# Allegro board pc065c_fibv2_toplevel_13_fix.brd (continued)
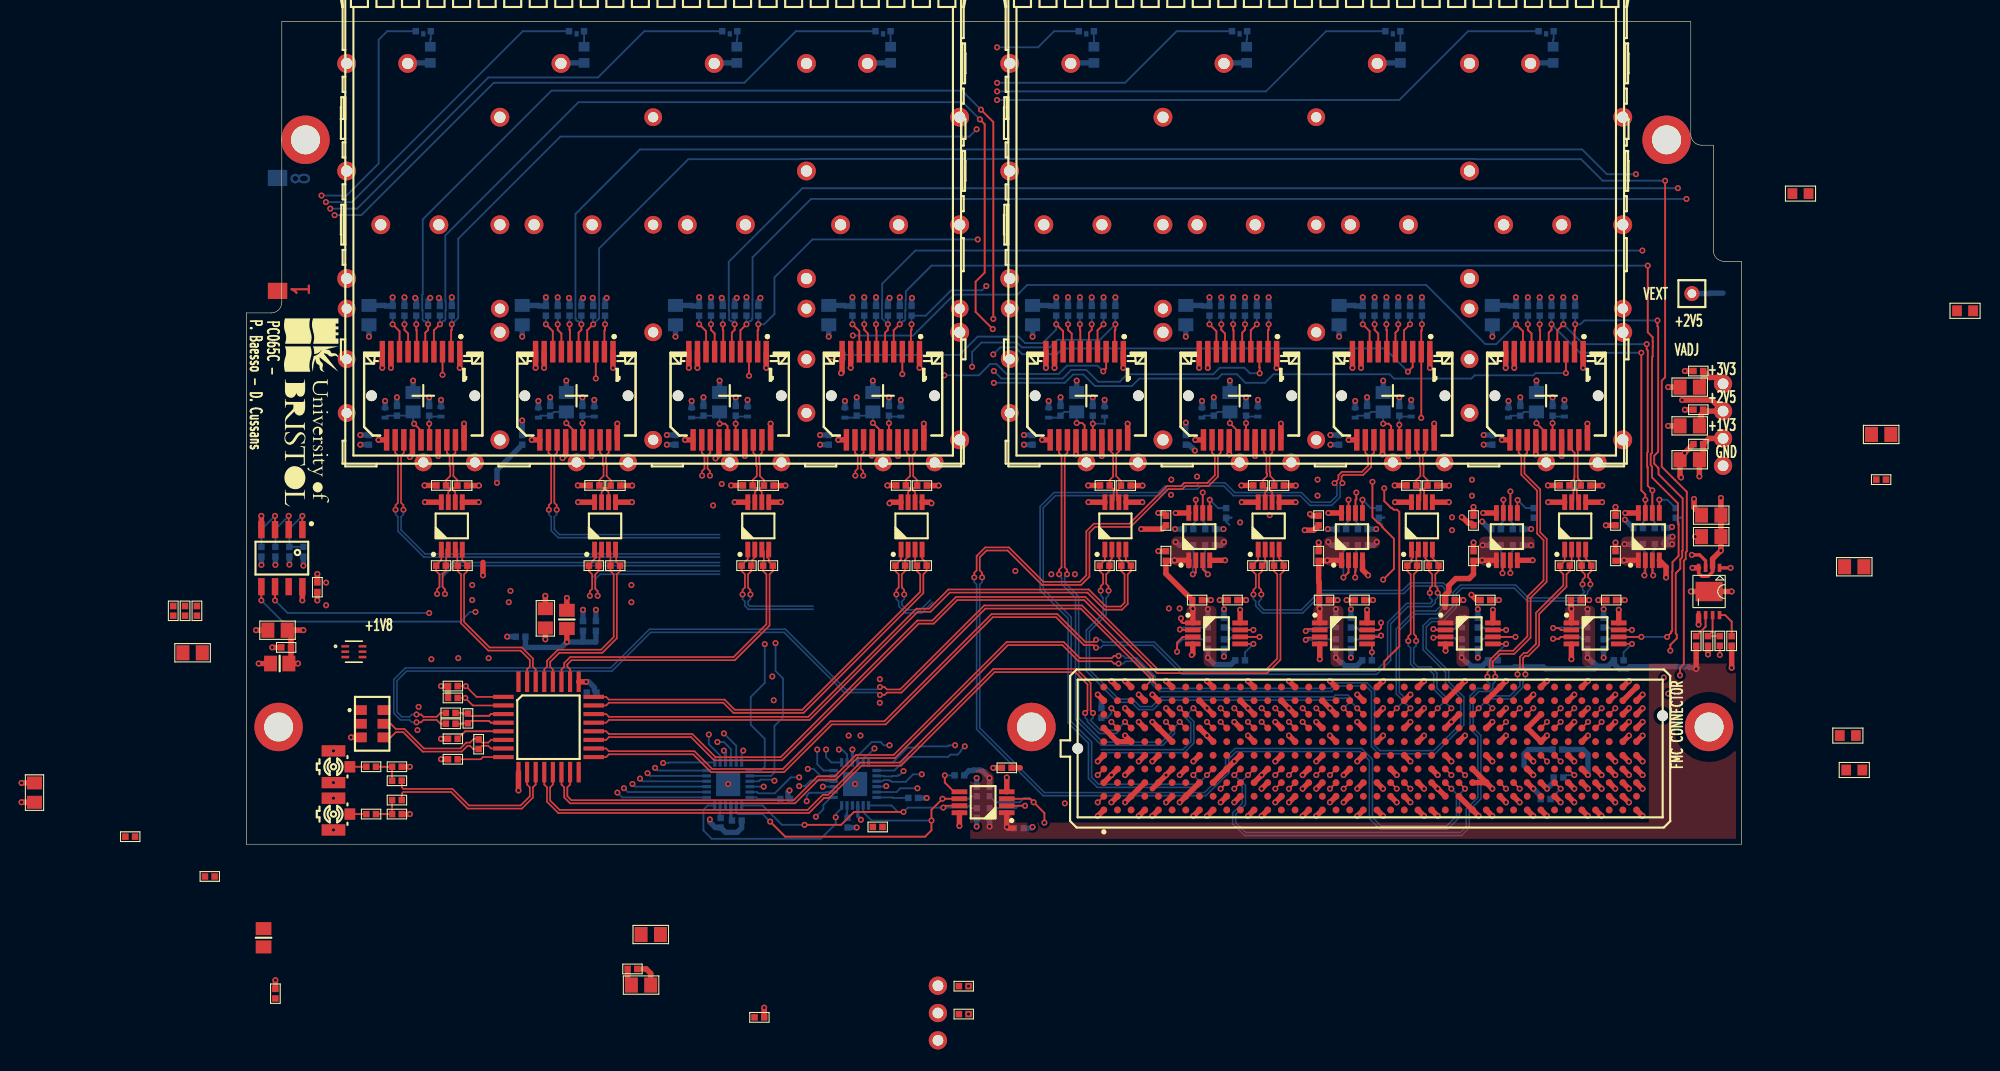
[diagram p0: board, top side]
## Routing (per net, layer and track width the routed paths; a pad name or vN(x,y) marks a point on that pad's centre or on a via; arc(x,y) is an arc through that point) (continued)
RD_FPGA_P<7>: length 70.9
  TOP w0.15: J24.13 119.09,36.4 118.83,36.14 118.83,34.47 120.3,33 120.3,29 120.9,28.4 120.9,24.4 119.4,22.9 119.4,19.2 117.9,17.7 116.6,17.7 115.9,17 115.9,16.22 116.12,16 v1(116.12,15.57) ; J2.D11 v1(91.86,6.43)
  BOTTOM w0.15: v1(116.12,15.57) 116.12,15.13 115.9,14.91 115.9,14.52 115.58,14.2 114.6,14.2 114.07,13.67 114.07,10.83 114.79,10.11 114.79,4.23 113.7,3.14 113.7,1.5 113,0.8 92.8,0.8 91.7,1.9 91.7,2.9 92.6,3.8 92.6,5.35 92.35,5.61 92.35,5.94 v1(91.86,6.43)
RST_I2C_B: length 18.3
  BOTTOM w0.17: IC23.24 42.9,3.6 42.5,3.2 42.5,1.27 43.27,0.5 53.4,0.5 54.8,1.9 v1(54.8,2.5) 54.8,2.8 55.35,3.35 IC10.24
SFP_FAULT<0>: length 132
  TOP w0.17: J7.2 19.04,47.77 19.1,47.83 v1(19.1,48.34)
  L3_SIG w0.17: v1(59.8,9.2) 59.8,20.2 68.2,28.6 68.2,34 67.66,34.54 67.66,38.44 65.85,40.25 65.85,44.25 64.8,45.3 64.8,54.49 67.44,57.14 67.44,58.06 67,58.51 67,64.78 67.9,65.68 v1(67.9,66.48)
  BOTTOM w0.17: R24.2 v1(19.1,48.34) 19.7,48.95 19.7,56.3 29.2,65.8 67.22,65.8 v1(67.9,66.48) ; v1(59.8,9.2) 59.26,9.2 58.96,9.5 58.14,9.5 56.85,8.21 IC10.10
SFP_FAULT<1>: length 76.3
  TOP w0.17: v1(33.35,48.34) 33.35,47.83 33.29,47.77 J12.2
  L3_SIG w0.17: v1(33.35,48.34) 33.35,41.59 33.53,41.41 33.53,4.57 34.2,3.9 51.26,3.9 51.88,4.53 53.24,4.53 53.52,4.8 54.3,4.8 v1(58.4,8.9)
  BOTTOM w0.17: R36.2 v1(33.35,48.34) ; IC10.11 57.35,8 57.6,8.24 57.74,8.24 v1(58.4,8.9)
SFP_FAULT<2>: length 86.4
  TOP w0.17: J16.2 47.54,47.77 47.6,47.83 v1(47.6,48.34)
  L3_SIG w0.17: v1(65.9,9.2) 66.64,9.94 66.64,25.44 68.83,27.63 68.83,28.3 68.86,28.33 68.86,34.54 68.43,34.97 68.43,43.42 68.42,43.43 68.42,49.12 68.4,49.14 68.4,50.2 68.1,50.5 68.1,55.64 68,55.74 v1(68,56.23)
  BOTTOM w0.17: R44.2 v1(47.6,48.34) 48.15,48.34 49.1,49.3 49.1,52.7 52.63,56.23 v1(68,56.23) ; IC10.12 60.1,7.6 61.48,8.97 62.19,8.97 62.32,9.1 65.26,9.1 65.36,9.2 v1(65.9,9.2)
SFP_FAULT<3>: length 65.1
  TOP w0.17: v1(61.85,48.34) 61.85,47.83 61.79,47.77 J20.2
  L3_SIG w0.17: v1(68.8,51.9) 68.8,35.3 69.2,34.9 69.2,27.4 67.16,25.35 67.16,22.34 67.7,21.8 67.7,10 v1(66.8,9.1)
  BOTTOM w0.17: v1(61.85,48.34) R52.2 63.17,49.15 65.52,51.5 68.4,51.5 v1(68.8,51.9) ; v1(66.8,9.1) 66.42,8.72 66.42,8.62 66.13,8.33 65.46,8.33 65.26,8.12 61.52,8.12 60.25,6.85 IC10.13
SFP_FAULT<4>: length 63.4
  TOP w0.17: J36.2 80.74,47.77 80.8,47.83 v1(80.8,48.34)
  L3_SIG w0.17: v1(61.1,6.8) 61.1,8.5 61.5,8.9 61.5,21 68.5,28 68.5,28.43 68.53,28.46 68.53,34.37 68.1,34.8 68.1,43.29 67.48,43.91 v1(67.48,44.4)
  BOTTOM w0.17: v1(67.48,44.4) 67.48,45.78 68.35,46.65 71.65,46.65 72.1,46.2 74.7,46.2 75.4,46.9 79.36,46.9 v1(80.8,48.34) R125.2 ; IC10.14 59.27,6.35 59.32,6.3 60.03,6.3 60.08,6.35 60.55,6.35 60.62,6.42 60.72,6.42 v1(61.1,6.8)
SFP_FAULT<5>: length 49.1
  TOP w0.17: v1(105.8,33.1) 105.8,31.9 106.42,31.27 106.51,31.27 106.69,31.1 107,31.1 107.2,30.9 107.2,18.4 105.8,17 105.8,16.3 ; v1(95.05,48.34) 95.05,47.83 94.99,47.77 J32.2
  L3_SIG w0.17: v1(95.05,48.34) 95.05,47.81 98.7,44.16 98.7,38.34 98.41,38.04 98.41,36.99 98.87,36.53 100.57,36.53 101.07,36.03 102.54,36.03 103.53,35.04 103.53,33.57 104.1,33 105.21,33 105.31,33.1 v1(105.8,33.1)
  BOTTOM w0.17: IC10.15 59.14,5.85 59.26,5.97 59.74,5.97 59.81,5.9 59.92,5.9 60.02,5.8 61.3,5.8 62,6.5 v1(62.8,6.5) ; R117.2 v1(95.05,48.34)
SFP_FAULT<6>: length 80.6
  TOP w0.17: v1(109.3,48.34) 109.3,47.83 109.24,47.77 J28.2 v1(109.24,39.64)
  L6_SIG w0.17: v1(109.24,39.64) 109.24,39.04 107.4,37.2 104.2,37.2 102.5,35.5 99.5,35.5 97.9,33.9 95.1,33.9 93.9,32.7 91.4,32.7 88.8,30.1 85.7,30.1 82.8,27.2 72.3,27.2 68.1,23 68.1,15.7 61.4,9 60.4,9 59.5,8.1 v1(59.5,5.4)
  BOTTOM w0.17: R109.2 v1(109.3,48.34) ; v1(59.5,5.4) 59.45,5.35 IC10.16
SFP_FAULT<7>: length 47.7
  TOP w0.17: J24.2 123.49,47.77 123.55,47.83 v1(123.55,48.34) ; v1(131.2,48.7) 131.2,48.16 131.27,48.09 131.27,36.49 130.9,36.12 130.9,35.38 131.27,35.01 131.27,34.96 131.3,34.93 131.3,34.4 133.54,32.16 133.54,27.32 133.5,27.27 133.5,26.67 133.32,26.49 133.32,25.62 132.9,25.2 132.9,19.59 133,19.49 133,19.14 132.4,18.54 v1(132.4,18)
  BOTTOM w0.17: IC10.17 60.45,4.85 60.8,5.2 v1(62.4,5.2) ; R101.2 v1(123.55,48.34) 124.04,48.34 124.4,48.7 127.49,48.7 127.51,48.72 128.44,48.72 128.46,48.7 v1(131.2,48.7)
SFP_I2C_SCL<0>: length 144.8
  TOP w0.17: v1(69.45,48.85) 69.45,67.15 v1(68.3,68.3) ; J7.5 16.64,47.57 16.9,47.83 v1(16.9,48.34) ; IC12.7 v1(93.63,19.93)
  L3_SIG w0.17: v1(69.45,48.85) 69.94,48.85 70.39,48.4 73.9,48.4 76.4,45.9 84.7,45.9 87.5,43.1 89.8,43.1 94.9,38 94.9,33.9 95.72,33.08 95.72,28.42 95.6,28.3 95.6,21.1 94.42,19.93 v1(93.63,19.93)
  BOTTOM w0.17: R140.1 91.41,20.15 91.64,19.93 v1(93.63,19.93) ; v1(68.3,68.3) 66.53,70.07 28.37,70.07 16.4,58.1 16.4,51.13 16.35,51.08 16.35,50.63 16.36,50.62 16.36,49.65 16.39,49.62 16.39,48.76 16.51,48.64 16.61,48.64 v1(16.9,48.34) R27.1
SFP_I2C_SCL<1>: length 203.9
  TOP w0.17: J12.5 30.89,47.57 31.15,47.83 v1(31.15,48.34) ; v1(105.5,20.6) 105.5,20.11 105.32,19.93 IC14.7
  L3_SIG w0.17: v1(129.2,62.3) 129.8,62.3 131,61.1 131,53.94 131.03,53.92 131.03,53.48 131,53.46 131,51.8 130.5,51.3 130.5,48.1 131.2,47.4 131.2,33.3 132,32.5 132,30.57 131.47,30.04 131.47,29.47 131.3,29.3 131.3,25.31 131.4,25.21 131.4,24.3 131.28,24.18 131.28,17.22 131.8,16.69 v1(131.8,15.5)
  L6_SIG w0.17: v1(131.8,15.5) 129.8,15.5 128.2,17.1 128.2,17.6 126.3,19.5 124.7,19.5 122.8,21.4 120.4,21.4 119.7,20.7 119.7,19.3 118.4,18 116.2,18 113.7,20.5 111.5,20.5 110.4,21.6 108.7,21.6 107.7,20.6 v1(105.5,20.6)
  BOTTOM w0.17: R145.1 103.21,20.15 103.44,19.93 105.33,19.93 105.5,20.1 v1(105.5,20.6) ; R39.1 v1(31.15,48.34) 30.86,48.64 30.76,48.64 30.64,48.76 30.64,48.86 30.6,48.9 30.6,58.6 36.6,64.6 124.2,64.6 126.5,62.3 v1(129.2,62.3)
SFP_I2C_SCL<2>: length 155.9
  TOP w0.17: IC15.7 v1(117.13,19.93) ; J16.5 45.14,47.57 45.4,47.83 v1(45.4,48.34)
  L6_SIG w0.17: v1(133.1,61) 133.1,54.2 132.05,53.15 132.05,45.75 129.8,43.5 129.8,34.4 128.8,33.4 128.8,26.1 127.9,25.2 121.63,25.2 117.13,20.7 v1(117.13,19.93)
  BOTTOM w0.17: v1(133.1,61) 51.7,61 44.85,54.15 44.85,50.63 44.85,50.62 44.85,49.65 44.89,49.62 44.89,48.76 45.01,48.64 45.11,48.64 v1(45.4,48.34) R47.1 ; R150.1 115.01,20.15 115.24,19.93 v1(117.13,19.93)
SFP_I2C_SCL<3>: length 119.3
  TOP w0.17: J20.5 59.39,47.57 59.65,47.83 v1(59.65,48.34) ; IC16.7 v1(128.83,19.93)
  L3_SIG w0.17: v1(128.83,19.93) 129.4,20.5 129.4,41.8 129.1,42.1 129.1,54.5 v1(129.8,55.2)
  BOTTOM w0.17: v1(128.83,19.93) 126.94,19.93 126.71,20.15 R155.1 ; v1(129.8,55.2) 62.2,55.2 59.12,52.12 59.12,50.62 59.1,50.6 59.1,48.9 v1(59.65,48.34) R55.1
SFP_I2C_SCL<4>: length 28.1
  TOP w0.17: J36.5 78.34,47.57 78.6,47.83 v1(78.6,48.34) ; 88.28,30.8 v1(88.28,32.03)
  L6_SIG w0.17: v1(78.6,48.34) 80.5,46.45 80.5,41.8 82.47,39.84 82.47,39.39 82.51,39.34 82.51,38.87 82.47,38.82 82.47,38.04 86.03,34.47 86.43,34.47 88.28,32.63 v1(88.28,32.03)
  BOTTOM w0.17: R128.1 v1(78.6,48.34) ; R160.1 88.05,29.81 88.28,30.04 v1(88.28,32.03)
SFP_I2C_SCL<5>: length 30.6
  TOP w0.17: IC18.7 v1(102.47,32.03) ; J32.5 92.59,47.57 92.85,47.83 v1(92.85,48.34)
  L3_SIG w0.17: v1(102.47,32.03) 102.13,31.68 98.81,31.68 97.67,32.83 97.36,32.83 97.05,33.13 97.05,33.15 95.43,34.77 95.43,41.07 92.85,43.65 v1(92.85,48.34)
  BOTTOM w0.17: R120.1 v1(92.85,48.34) ; v1(102.47,32.03) 102.47,30.04 102.25,29.81 R165.1
SFP_I2C_SCL<6>: length 27.9
  TOP w0.17: v1(107.1,48.34) 107.1,47.83 106.84,47.57 J28.5 ; IC19.7 v1(116.88,32.03)
  L3_SIG w0.17: v1(107.1,48.34) 108.7,46.74 108.7,44.6 109,44.3 109,41.53 116.88,33.66 v1(116.88,32.03)
  BOTTOM w0.17: R112.1 v1(107.1,48.34) ; v1(116.88,32.03) 116.88,30.04 116.65,29.81 R170.1
SFP_I2C_SCL<7>: length 30.7
  TOP w0.17: J24.5 121.09,47.57 121.35,47.83 v1(121.35,48.34) ; v1(129.7,45.7) 129.7,32.9 130.07,32.52 v1(130.07,32.03) 130.07,30.8
  BOTTOM w0.17: v1(130.07,32.03) 130.07,30.14 129.85,29.91 R175.1 ; v1(129.7,45.7) 124,45.7 v1(121.35,48.34) R104.1
SFP_I2C_SCL_CVCC<0>: length 24.3
  TOP w0.17: 92.42,5.72 v1(91.86,5.16) ; v1(86.8,19.97) 86.84,19.93 IC12.2
  L6_SIG w0.17: v1(86.8,19.97) 90.53,19.97 92.5,18 92.5,5.8 v1(91.86,5.16)
  BOTTOM w0.17: R137.1 87.15,20.15 86.97,19.97 v1(86.8,19.97)
SFP_I2C_SCL_CVCC<1>: length 14.2
  TOP w0.17: v1(98.5,19.82) 98.52,19.82 98.7,20 99.72,20 IC14.2 ; 98.78,10.8 v1(98.21,11.37)
  L6_SIG w0.17: v1(98.5,19.82) 97.6,18.92 97.6,11.98 v1(98.21,11.37)
  BOTTOM w0.17: v1(98.5,19.82) 99.04,19.82 99.37,20.15 R142.1
SFP_I2C_SCL_CVCC<2>: length 28.3
  TOP w0.17: v1(110.37,20) 110.4,20 110.47,19.93 IC15.2 ; 97.5,5.72 v1(96.94,5.16)
  L6_SIG w0.17: v1(96.94,5.16) 97.43,5.16 98.07,5.8 100.9,5.8 101.3,6.2 101.3,7.3 104.8,10.8 104.8,12.7 107.2,15.1 108.6,15.1 110.7,17.2 110.7,17.63 110.73,17.66 110.73,18.79 110.92,18.98 110.92,19.42 110.72,19.63 110.72,19.65 v1(110.37,20)
  BOTTOM w0.17: R147.1 112.48,20.15 112.33,20 v1(110.37,20)
SFP_I2C_SCL_CVCC<3>: length 15.5
  TOP w0.17: IC16.2 122.21,19.93 122.04,20.1 v1(121.5,20.1) ; 121.64,10.8 v1(122.2,11.37)
  L6_SIG w0.17: v1(122.2,11.37) 121.6,11.97 121.6,14 122.4,14.8 122.4,19.2 v1(121.5,20.1)
  BOTTOM w0.17: R152.1 122.25,20.15 122.2,20.1 v1(121.5,20.1)
SFP_I2C_SCL_CVCC<4>: length 48.5
  TOP w0.17: 88.28,25.27 88.28,25.23 ; 88.28,25.27 88.28,26.4 ; 88.28,25.27 88.2,25.2 88.1,25.2 v1(88,25.1) ; 102.58,5.72 v1(102.02,5.16)
  L6_SIG w0.17: v1(102.02,5.16) 102.02,4.63 101.49,4.11 101.49,3.47 101.32,3.3 85.3,3.3 84.9,3.7 84.9,14.6 84.1,15.4 84.1,23.5 85.7,25.1 v1(88,25.1)
  BOTTOM w0.17: R157.1 88.05,25.91 88,25.86 v1(88,25.1)
SFP_I2C_SCL_CVCC<5>: length 31
  TOP w0.17: J2.D15 v1(96.94,6.43) ; v1(102,24.8) 102.47,25.27 ; 102.47,25.27 IC18.2 ; 102.47,25.27 102.47,25.23
  L6_SIG w0.17: v1(96.94,6.43) 96.94,7.74 97.9,8.7 100.8,8.7 102.54,10.44 102.54,14.84 103.67,15.97 103.67,25.12 103.4,25.4 102.6,25.4 v1(102,24.8)
  BOTTOM w0.17: R162.1 102.25,27.49 102,27.24 v1(102,24.8)
SFP_I2C_SCL_CVCC<6>: length 29.1
  TOP w0.17: 107.67,5.72 v1(108.23,5.16) ; v1(116.8,25.2) 116.8,25.2 116.8,25.7 116.88,25.77 IC19.2
  L3_SIG w0.17: v1(108.23,5.16) 108.23,6.03 110.3,8.1 110.3,8.4 112.8,10.9 112.8,13.4 114,14.6 114,16.4 113.9,16.5 113.9,22.2 115.2,23.5 115.2,24.8 115.6,25.2 v1(116.8,25.2)
  BOTTOM w0.17: v1(116.8,25.2) 116.8,25.7 116.65,25.84 R167.1
SFP_I2C_SCL_CVCC<7>: length 5.3
  TOP w0.17: J2.G37 v1(126.01,11.37) ; v1(129.99,25) 130.07,25.09 130.07,26.4
  BOTTOM w0.17: R172.1 129.85,27.39 130.07,27.16 130.07,25.63 129.99,25.54 v1(129.99,25)
SFP_I2C_SDA<0>: length 144.3
  TOP w0.17: IC12.6 v1(94.2,19.27) ; J7.4 17.44,47.78 v1(18,48.34) ; v1(69.4,47.9) 67.8,49.5 67.8,52.3 68.65,53.15 68.65,66.95 v1(68.2,67.4)
  L3_SIG w0.17: v1(94.2,19.27) 92.33,19.27 91.6,20 91.6,24.8 94.4,27.6 94.4,37.3 93.9,37.8 90.9,37.8 88.7,40 87,40 82,45 76.3,45 73.4,47.9 v1(69.4,47.9)
  BOTTOM w0.17: R139.1 91.41,19.05 91.64,19.27 v1(94.2,19.27) ; R28.1 v1(18,48.34) 18.29,48.64 18.39,48.64 18.51,48.76 18.51,49.62 18.55,49.65 18.55,50.45 18.5,50.5 18.5,56.62 30.88,69 66.6,69 v1(68.2,67.4)
SFP_I2C_SDA<1>: length 201.1
  TOP w0.17: IC14.6 105.38,19.27 v1(105.5,19.4) ; v1(32.25,48.34) 31.69,47.78 J12.4 ; v1(133.3,15.7) 133.3,16.41 133.65,16.76 133.65,26.35 133.83,26.53 133.83,27.14 133.93,27.24 133.93,32.76 132.83,33.86 132.83,33.87 131.6,35.1 131.6,43.1 131.91,43.41 v1(131.91,61.7)
  L6_SIG w0.17: v1(105.5,19.4) 107.56,19.4 109.01,20.85 110.49,20.85 111.59,19.75 113.35,19.75 115.9,17.2 118.8,17.2 120.3,18.7 120.3,20.3 120.8,20.8 122.34,20.8 124.39,18.75 125.99,18.75 127.45,17.29 127.45,17.1 129.58,14.97 132.57,14.97 v1(133.3,15.7)
  BOTTOM w0.17: v1(105.5,19.4) 105,19.4 104.65,19.05 R144.1 ; R40.1 v1(32.25,48.34) 32.8,48.9 32.8,55.4 41.1,63.7 51.59,63.7 51.61,63.72 114.19,63.72 114.21,63.7 124.1,63.7 126.1,61.7 131.37,61.7 131.38,61.7 v1(131.91,61.7)
SFP_I2C_SDA<2>: length 155.9
  TOP w0.17: IC15.6 v1(118,19.27) ; v1(46.5,48.34) 45.94,47.78 J16.4
  L6_SIG w0.17: v1(118,19.27) 118,20.47 122.23,24.7 128.53,24.7 129.6,25.77 129.6,33.07 130.6,34.07 130.6,42.74 132.82,44.96 132.82,52.78 133.9,53.87 v1(133.9,60)
  BOTTOM w0.17: R48.1 v1(46.5,48.34) 46.79,48.64 46.89,48.64 47.01,48.76 47.01,48.86 47.05,48.9 47.05,50.6 47.07,50.62 47.07,54.57 52.5,60 v1(133.9,60) ; v1(118,19.27) 115.24,19.27 115.01,19.05 R149.1
SFP_I2C_SDA<3>: length 121.3
  TOP w0.17: v1(132.1,19.27) 132.48,19.66 132.48,19.77 132.57,19.86 132.57,25.34 132.6,25.37 132.6,26.23 133.17,26.8 133.17,29.69 133.1,29.76 133.1,31.7 130.7,34.1 130.7,35.11 130.57,35.24 130.57,36.26 130.7,36.39 130.7,45.29 130.75,45.35 130.75,46.25 130.77,46.26 130.77,46.74 130.75,46.75 130.75,47.15 130.3,47.6 v1(130.3,53.8) ; J20.4 60.19,47.78 v1(60.75,48.34) ; IC16.6 v1(129.7,19.27)
  BOTTOM w0.17: R154.1 126.71,19.05 126.94,19.27 v1(129.7,19.27) v1(132.1,19.27) ; R56.1 v1(60.75,48.34) 61.04,48.64 61.14,48.64 61.26,48.76 61.26,49.62 61.3,49.65 61.3,50.59 61.32,50.62 61.32,51.42 63.7,53.8 v1(130.3,53.8)
SFP_I2C_SDA<4>: length 28.9
  TOP w0.17: IC17.6 v1(88.92,32.7) ; J36.4 79.14,47.78 v1(79.7,48.34)
  L6_SIG w0.17: v1(88.92,32.7) 86.83,34.8 86.17,34.8 82.8,38.17 82.8,38.69 82.84,38.73 82.84,39.48 82.8,39.52 82.8,39.97 80.9,41.87 80.9,47.15 v1(79.7,48.34)
  BOTTOM w0.17: R129.1 v1(79.7,48.34) ; R159.1 89.15,29.81 88.92,30.04 v1(88.92,32.7)
SFP_I2C_SDA<5>: length 30.4
  TOP w0.17: v1(103.2,32.7) 103.2,32.08 103.12,32 IC18.6 ; v1(93.95,48.34) 93.39,47.78 J32.4
  L3_SIG w0.17: v1(93.95,48.34) 93.95,47.71 95.13,46.53 95.13,42.04 97.4,39.77 97.4,37.5 99.2,35.7 102.4,35.7 103.2,34.9 v1(103.2,32.7)
  BOTTOM w0.17: v1(103.2,32.7) 103.2,32.08 103.12,32 103.12,30.04 103.35,29.81 R164.1 ; R121.1 v1(93.95,48.34)
SFP_I2C_SDA<6>: length 28.6
  TOP w0.17: v1(108.2,48.34) 107.64,47.78 J28.4 ; IC19.6 v1(117.53,32.8)
  L3_SIG w0.17: v1(117.53,32.8) 117.53,33.48 109.33,41.67 109.33,47.22 v1(108.2,48.34)
  BOTTOM w0.17: v1(117.53,32.8) 117.53,30.04 117.75,29.81 R169.1 ; R113.1 v1(108.2,48.34)
SFP_I2C_SDA<7>: length 31.7
  TOP w0.17: IC20.6 v1(130.72,32.9) 130.3,33.33 130.3,35.04 130.24,35.1 130.24,36.4 130.3,36.46 130.3,45.91 130.2,46.01 v1(130.2,46.5) ; v1(122.45,48.34) 121.89,47.78 J24.4
  BOTTOM w0.17: R105.1 v1(122.45,48.34) 124.3,46.5 127.49,46.5 127.51,46.48 128.44,46.48 128.46,46.5 v1(130.2,46.5) ; v1(130.72,32.9) 130.72,30.14 130.95,29.91 R174.1
SFP_I2C_SDA_CVCC<0>: length 23.4
  TOP w0.17: IC12.3 87.06,19.27 86.54,18.75 v1(86.54,17.9) ; 91.16,5.72 v1(90.59,5.16)
  L6_SIG w0.17: v1(90.59,5.16) 91.2,5.77 91.2,14.7 89.6,16.3 87.1,16.3 86.54,16.86 v1(86.54,17.9)
  BOTTOM w0.17: v1(86.54,17.9) 86.54,18.54 87.05,19.05 R136.1
SFP_I2C_SDA_CVCC<1>: length 15.6
  TOP w0.17: v1(98.5,19) 98.7,19.2 99.72,19.2 IC14.3 ; J2.G15 v1(96.94,11.37)
  L6_SIG w0.17: v1(96.94,11.37) 97.71,10.6 98.6,10.6 98.8,10.8 98.8,12.9 98.6,13.1 98.6,18.41 98.5,18.51 v1(98.5,19)
  BOTTOM w0.17: R141.1 99.14,19.05 99.09,19 v1(98.5,19)
SFP_I2C_SDA_CVCC<2>: length 27.3
  TOP w0.17: IC15.3 110.47,19.27 110.4,19.2 v1(110.37,19.2) ; 96.23,5.72 v1(95.67,5.16)
  L6_SIG w0.17: v1(95.67,5.16) 96.31,5.8 97.05,5.8 97.46,6.21 97.46,6.76 97.8,7.1 100.3,7.1 104.47,11.27 104.47,12.84 104.5,12.87 104.5,13 107.3,15.8 108.4,15.8 110.37,17.77 v1(110.37,19.2)
  BOTTOM w0.17: v1(110.37,19.2) 112.33,19.2 112.48,19.05 R146.1
SFP_I2C_SDA_CVCC<3>: length 14.6
  TOP w0.17: IC16.3 122.21,19.27 122.04,19.1 v1(121.5,19.1) ; J2.G33 v1(120.93,11.37)
  L6_SIG w0.17: v1(120.93,11.37) 120.93,13.97 120.1,14.8 120.1,15.7 121.5,17.1 v1(121.5,19.1)
  BOTTOM w0.17: R151.1 124.19,19.05 123.96,19.27 122.21,19.27 122.04,19.1 v1(121.5,19.1)
SFP_I2C_SDA_CVCC<4>: length 43.8
  TOP w0.17: v1(89.4,25.1) 88.92,25.57 IC17.3 ; 101.31,5.72 v1(100.75,5.16)
  L6_SIG w0.17: v1(100.75,5.16) 100.09,4.5 87,4.5 86.1,5.4 86.1,16.3 84.8,17.6 84.8,22.03 86.87,24.1 88.4,24.1 v1(89.4,25.1)
  BOTTOM w0.17: 89.3,25.2 89.15,25.34 89.15,25.45 ; 89.3,25.2 89.3,25.31 89.15,25.45 ; 89.3,25.2 v1(89.4,25.1) ; 89.15,25.45 R156.1
SFP_I2C_SDA_CVCC<5>: length 28.4
  TOP w0.17: IC18.3 103.12,25.39 103.1,25.37 v1(103.1,24.8) ; J2.D14 v1(95.67,6.43)
  L6_SIG w0.17: v1(95.67,6.43) 95.67,6.96 96.19,7.48 96.19,8.59 97.4,9.8 99.48,9.8 101.49,11.81 101.49,16.2 102,16.7 102,19.7 103.3,21 103.3,24.11 103.1,24.31 v1(103.1,24.8)
  BOTTOM w0.17: R161.1 103.35,27.49 103.19,27.33 103.19,25.39 103.1,25.29 v1(103.1,24.8)
SFP_I2C_SDA_CVCC<6>: length 33.9
  TOP w0.17: IC19.3 v1(117.53,25.21) ; 106.39,5.72 v1(106.96,5.16)
  L3_SIG w0.17: v1(117.53,25.21) 117.53,22.02 115.3,19.8 115.3,16.5 114.9,16.1 114.9,15.82 114.86,15.79 114.86,13.67 114.06,12.86 114.06,12.86 114,12.8 114,5.11 113.31,4.41 108.2,4.41 107.45,5.16 v1(106.96,5.16)
  BOTTOM w0.17: v1(117.53,25.21) 117.53,27.05 117.75,27.28 R166.1
SFP_I2C_SDA_CVCC<7>: length 5.3
  TOP w0.17: J2.G36 v1(124.74,11.37) ; IC20.3 130.72,25.08 v1(130.81,25)
  BOTTOM w0.17: R171.1 130.95,27.39 130.72,27.16 130.72,25.57 130.81,25.49 v1(130.81,25)
SFP_LOS<0>: length 82.5
  TOP w0.17: v1(13.6,48.34) 14.24,47.7 J7.8
  L6_SIG w0.17: v1(13.6,48.34) 9.64,48.34 5.9,44.6 5.9,19.9 10.1,15.7 28.8,15.7 35,9.5 v1(43.8,9.5)
  BOTTOM w0.17: IC23.10 45.05,8.85 44.4,9.5 v1(43.8,9.5) ; R25.2 v1(13.6,48.34)
SFP_LOS<1>: length 66.1
  TOP w0.17: v1(27.85,48.34) 28.49,47.7 J12.8
  L3_SIG w0.17: v1(22.52,17.3) 22.52,24.72 22.57,24.76 22.57,25.24 22.52,25.28 22.52,25.48 22.4,25.6 22.4,31.59 22.33,31.66 22.33,32.14 22.4,32.21 22.4,44.8 25.95,48.34 v1(27.85,48.34)
  L6_SIG w0.17: v1(22.52,17.3) 37.4,17.3 v1(44.4,10.3)
  BOTTOM w0.17: IC23.11 45.55,9.15 v1(44.4,10.3) ; R37.2 v1(27.85,48.34)
SFP_LOS<2>: length 46.7
  TOP w0.17: J16.8 42.74,47.7 v1(42.1,48.34)
  L3_SIG w0.17: v1(43.4,31.5) 43.4,31.01 43.3,30.91 43.3,16.3 46.1,13.5 46.1,9.29 46.2,9.19 v1(46.2,8.7)
  L6_SIG w0.17: v1(43.4,31.5) 43.4,31.99 43.63,32.22 43.63,34.87 42.9,35.6 42.9,38.8 43.3,39.2 43.3,47.15 v1(42.1,48.34)
  BOTTOM w0.17: v1(46.2,8.7) 46.05,8.55 IC23.12 ; R45.2 v1(42.1,48.34)
SFP_LOS<3>: length 50.8
  TOP w0.17: J20.8 56.99,47.7 v1(56.35,48.34)
  L3_SIG w0.17: v1(56.35,48.34) 53.8,45.8 53.8,45.1 50.97,42.27 50.97,21.37 v1(48.2,18.6)
  BOTTOM w0.17: R53.2 v1(56.35,48.34) ; v1(48.2,18.6) 48.2,15 46.9,13.7 46.9,11.1 48.2,9.8 48.2,7.2 47.85,6.85 IC23.13
SFP_LOS<4>: length 70.6
  TOP w0.17: v1(75.3,48.34) 75.94,47.7 J36.8
  L3_SIG w0.17: v1(54.4,44.9) 52.7,43.2 52.7,41.42 53.27,40.85 53.27,39.37 51.87,37.97 51.87,37.94 51.77,37.84 51.77,21.27 v1(49.2,18.7)
  BOTTOM w0.17: R126.2 v1(75.3,48.34) 75.3,47.85 74.05,46.6 72.4,46.6 71.8,47.2 68,47.2 66.3,45.5 55.34,45.5 55.24,45.4 54.9,45.4 v1(54.4,44.9) ; IC23.14 48.79,6.35 49.1,6.66 49.1,10.99 49.9,11.79 49.9,15.41 49.2,16.11 v1(49.2,18.7)
SFP_LOS<5>: length 84.3
  TOP w0.17: J32.8 90.19,47.7 v1(89.55,48.34)
  L3_SIG w0.17: v1(71.5,25.4) 72.1,26 72.1,31.8 72.9,32.6 84.7,32.6 85.3,33.2 87.41,33.2 v1(88.39,34.18)
  L6_SIG w0.17: v1(49.1,5.9) 51,7.8 56,7.8 59.1,4.7 60.1,4.7 60.47,5.07 60.47,7.77 61.2,8.5 61.9,8.5 68.6,15.2 68.6,22.5 v1(71.5,25.4) ; v1(89.55,48.34) 89.92,47.98 89.92,44.1 90.52,43.5 90.52,41.32 89.92,40.71 89.92,38.31 89.42,37.83 89.42,36.02 88.39,34.99 v1(88.39,34.18)
  BOTTOM w0.17: IC23.15 47.65,5.85 47.8,6 49,6 v1(49.1,5.9) ; R118.2 v1(89.55,48.34)
SFP_LOS<6>: length 106.7
  TOP w0.17: J28.8 104.44,47.7 v1(103.8,48.34) ; v1(105.7,24.6) 106.7,25.6 106.7,28.4 105.62,29.48 105.62,29.54 105.29,29.87 105.23,29.87 104.7,30.4 v1(104.7,33.7)
  L3_SIG w0.17: v1(104.7,33.7) 104.7,34.6 104.8,34.7 104.8,47.34 v1(103.8,48.34)
  L6_SIG w0.17: v1(48.1,5.35) 50.15,3.3 60.4,3.3 61.88,4.77 61.88,6.32 62.58,7.03 63.23,7.03 65.38,9.17 65.38,9.42 65.68,9.72 65.93,9.72 69.1,12.9 69.1,21.8 73.1,25.8 94.2,25.8 96.3,23.7 99.5,23.7 101.6,25.8 104.5,25.8 v1(105.7,24.6)
  BOTTOM w0.17: R110.2 v1(103.8,48.34) ; IC23.16 v1(48.1,5.35)
SFP_LOS<7>: length 118.9
  TOP w0.17: J24.8 118.69,47.7 v1(118.05,48.34)
  L3_SIG w0.17: v1(56.39,47.3) 56.39,46.09 55,44.7 55,44.6 53.33,42.93 53.33,41.26 53.6,40.99 53.6,39.2 52.1,37.7 52.1,12.5 51.4,11.8 v1(51.4,6.22)
  BOTTOM w0.17: R102.2 v1(118.05,48.34) 116.2,46.5 115.2,46.5 109.7,52 72.6,52 71.7,51.1 65.8,51.1 62,47.3 v1(56.39,47.3) ; IC23.17 47.47,4.85 47.59,4.73 49.13,4.73 50.62,6.22 v1(51.4,6.22)
SFP_TD_N: length 6.4
  TOP w0.15: J7.19 19.44,36.4 19.18,36.14 19.18,35.33 19.26,35.25 19.25,34.24 19.62,33.85 R23.1 19.39,33.12 19.25,33.12 19.25,32.91 19.43,32.73 U3.6
SFP_TD_N_1: length 6.4
  TOP w0.15: U4.6 33.67,32.73 33.49,32.91 33.49,33.12 33.64,33.12 R35.1 33.88,33.85 33.5,34.24 33.5,34.24 33.51,35.3 33.44,35.38 33.44,36.14 33.69,36.4 J12.19
SFP_TD_N_2: length 6.4
  TOP w0.15: J16.19 47.94,36.4 47.69,36.14 47.69,35.33 47.76,35.26 47.75,34.24 48.12,33.85 R43.1 47.89,33.12 47.74,33.12 47.74,32.91 47.92,32.73 47.92,31.8
SFP_TD_N_3: length 6.4
  TOP w0.15: U6.6 62.17,32.73 61.99,32.91 61.99,33.12 62.14,33.12 R51.1 62.37,33.86 62,34.23 62,35.3 61.94,35.37 61.94,36.14 62.19,36.4 J20.19
SFP_TD_N_4: length 6.2
  TOP w0.15: U7.6 123.7,31.98 123.7,32.98 R100.1 124.07,33.73 123.79,34.01 123.79,34.19 123.78,34.2 123.78,36.08 123.79,36.09 123.79,36.59 123.89,36.69 J24.19
SFP_TD_N_5: length 6.3
  TOP w0.15: U8.6 109.5,31.93 109.5,33.03 R108.1 109.83,33.85 109.45,34.24 109.46,35.24 109.39,35.32 109.39,36.14 109.64,36.4 J28.19
SFP_TD_N_6: length 6.4
  TOP w0.15: J32.19 95.39,36.4 95.14,36.14 95.14,34.64 95.2,34.57 95.2,34.45 95.2,34.24 95.58,33.85 R116.1 95.34,33.12 95.19,33.12 95.19,32.91 95.38,32.73 U9.6
SFP_TD_N_7: length 6.3
  TOP w0.15: J36.19 81.14,36.54 80.88,36.28 80.88,34.4 80.88,34.23 81.32,33.77 R124.1 81.32,33.22 80.94,32.84 80.94,31.99 U10.6
SFP_TD_P: length 6.4
  TOP w0.15: U3.7 18.77,32.73 18.95,32.91 18.95,33.12 18.81,33.12 R22.1 18.57,33.86 18.96,34.24 18.97,35.13 18.89,35.2 18.89,36.14 18.64,36.4 J7.18
SFP_TD_P_1: length 6.4
  TOP w0.15: J12.18 32.89,36.4 33.15,36.14 33.15,35.26 33.22,35.18 33.21,34.24 32.83,33.86 R34.1 33.06,33.12 33.2,33.12 33.2,32.91 33.02,32.73 U4.7
SFP_TD_P_2: length 6.4
  TOP w0.15: U5.7 47.27,32.73 47.45,32.91 47.45,33.12 47.31,33.12 R42.1 47.08,33.86 47.46,34.24 47.47,35.14 47.4,35.21 47.4,36.14 47.14,36.4 J16.18
SFP_TD_P_3: length 6.4
  TOP w0.15: J20.18 61.39,36.4 61.65,36.14 61.65,35.24 61.71,35.18 61.71,34.24 61.71,34.24 61.33,33.86 R50.1 61.56,33.12 61.7,33.12 61.7,32.91 61.52,32.73 U6.7
SFP_TD_P_4: length 6.4
  TOP w0.15: U7.7 123.39,31.96 123.39,32.99 R99.1 123.02,33.53 123.48,33.97 123.48,34.19 123.49,34.2 123.49,36.2 123.5,36.22 123.5,36.4 123.09,36.81 J24.18
SFP_TD_P_5: length 6.3
  TOP w0.15: J28.18 108.84,36.4 109.09,36.14 109.09,35.2 109.17,35.12 109.16,34.24 109.16,34.24 108.78,33.86 R107.1 109.17,32.97 109.17,31.99 U8.7
SFP_TD_P_6: length 6.4
  TOP w0.15: J32.18 94.59,36.4 94.84,36.14 94.84,34.52 94.91,34.45 94.91,34.24 94.53,33.86 R115.1 94.76,33.12 94.91,33.12 94.91,32.91 94.72,32.73 U9.7
SFP_TD_P_7: length 6.3
  TOP w0.15: J36.18 80.34,36.56 80.59,36.31 80.59,34.4 80.59,34.19 80.28,33.88 R123.1 80.6,33.03 80.6,32.99 80.64,32.95 80.64,31.97 U10.7
SFP_TX_DISABLE<0>: length 84.9
  TOP w0.17: J7.3 v1(18.24,43.64)
  L3_SIG w0.17: v1(52.95,2.55) 52.41,2.55 52.36,2.5 50.8,2.5 50.4,2.9 45.54,2.9 45.34,3.1 34.2,3.1 33.1,2 21.8,2 20.5,3.3 18.9,3.3 17.4,4.8 17.4,16.19 16,17.59 16,21.6 16.6,22.2 19.1,22.2 19.31,22.41 19.31,26.39 19,26.7 19,42.88 v1(18.24,43.64)
  BOTTOM w0.17: IC10.1 54.35,4.35 53.65,3.65 53.65,3.25 v1(52.95,2.55)
SFP_TX_DISABLE<1>: length 65.7
  TOP w0.17: J12.3 v1(32.49,43.31)
  L3_SIG w0.17: v1(32.49,43.31) 32.9,42.9 32.9,41.57 33.2,41.27 33.2,21.69 33.02,21.52 33.02,18.58 33.07,18.54 33.07,18.06 33.02,18.02 33.02,15.17 32.77,14.92 32.77,14.48 33.02,14.23 33.02,12.72 32,11.7 32,5.37 33.87,3.5 51.6,3.5 v1(52.1,4)
  BOTTOM w0.17: v1(52.1,4) 52.1,4.54 52.34,4.78 53.84,4.78 53.87,4.81 53.93,4.81 53.97,4.85 IC10.2
SFP_TX_DISABLE<2>: length 52.2
  TOP w0.17: J16.3 v1(46.74,43.56)
  L3_SIG w0.17: v1(53.6,5.35) 52.75,5.35 52.26,4.86 51.65,4.86 51.1,4.3 47.5,4.3 46.9,4.9 46.9,13.7 44.2,16.4 v1(44.2,33.5)
  L6_SIG w0.17: v1(46.74,43.56) 47.4,42.9 47.4,36.41 46.91,35.92 46.91,35.86 46.58,35.52 46.51,35.52 45.42,34.43 45.36,34.43 44.86,33.93 44.83,33.93 44.78,33.88 44.58,33.88 v1(44.2,33.5)
  BOTTOM w0.17: v1(53.6,5.35) IC10.3
SFP_TX_DISABLE<3>: length 48.4
  TOP w0.17: J20.3 v1(60.99,43.71)
  L3_SIG w0.17: v1(60.99,43.71) 55.56,38.28 55.56,37.88 55.6,37.84 55.6,37.36 55.56,37.32 55.56,33.24 55.58,33.23 55.58,32.98 55.58,32.98 55.58,24.83 55.87,24.54 55.87,24.06 55.83,24.02 55.83,20.32 54.8,19.3 54.8,13.97 52.9,12.07 52.9,9.7 52.51,9.31 52.51,8.09 52.9,7.7 52.9,6.9 v1(51.4,5.4)
  BOTTOM w0.17: IC10.4 53.91,5.85 53.84,5.92 52.46,5.92 51.94,5.4 v1(51.4,5.4)
SFP_TX_DISABLE<4>: length 66.8
  TOP w0.17: J36.3 79.94,44.24 v1(79.67,43.97)
  L3_SIG w0.17: v1(52.2,7) 52.2,7.54 52,7.74 52,10.7 52.43,11.13 52.43,20.03 53.3,20.9 53.3,34.9 54.5,36.1 54.5,38.1 61.45,45.05 63.45,45.05 v1(64.9,43.6)
  BOTTOM w0.17: v1(52.2,7) 52.74,7 53.39,6.35 IC10.5 ; v1(79.67,43.97) 79.14,44.5 76.3,44.5 75.53,43.73 70.67,43.73 69.75,44.65 69.15,44.65 68.1,43.6 v1(64.9,43.6)
SFP_TX_DISABLE<5>: length 76.9
  TOP w0.17: v1(94.21,43.79) 94.21,44.33 94.19,44.35 J32.3
  L6_SIG w0.17: v1(69.5,44) 68.97,44 68.8,43.83 68.8,29.2 66.3,26.7 66.3,18.2 60.2,12.1 55.3,12.1 53.08,9.88 v1(53.08,8.8)
  BOTTOM w0.17: v1(69.5,44) 70.2,43.3 75.9,43.3 76.7,44.1 78.1,44.1 79.2,43 81.2,43 81.9,43.7 89.9,43.7 90.5,44.3 92.8,44.3 93.31,43.79 v1(94.21,43.79) ; IC10.6 53.67,6.85 53.08,7.44 v1(53.08,8.8)
